# KiCad board demomatrix.kicad_pcb (continued)
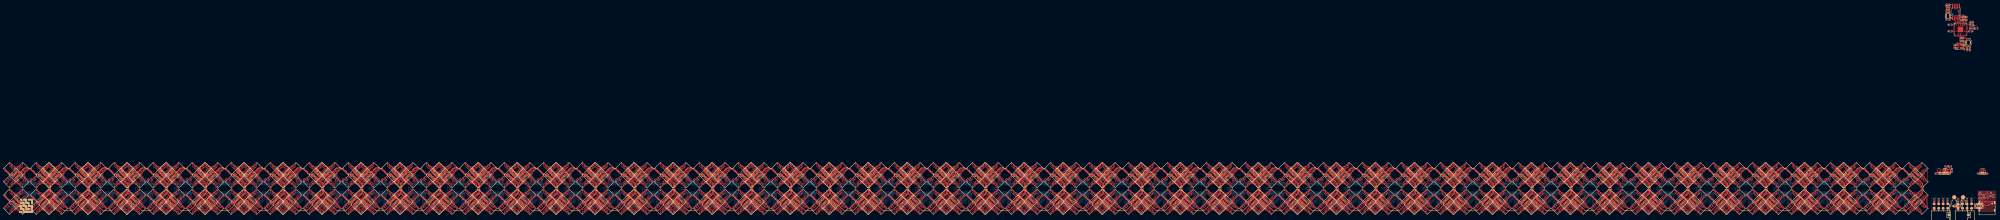
[diagram p0: board, top side]
## Routing (per net, layer and track width the routed paths; a pad name or vN(x,y) marks a point on that pad's centre or on a via; arc(x,y) is an arc through that point) (continued)
rgbs[1]-anodes-anode-150: length 4
  Top w0.2: LED293.5 -868.47,25.57 -867.27,25.57 -866.82,25.12 -866.56,25.12 -866.12,25.56 -865.1,25.56 LED294.6
rgbs[1]-anodes-anode-151: length 1.7
  Top w0.2: LED294.8 -865.96,24.72 -867.42,24.72 LED293.7
rgbs[1]-anodes-anode-152: length 9.3
  Top w0.2: LED298.4 -879.06,11.21 -879.06,10.22 -880.54,8.74 -880.79,8.74 -881.37,9.32 -882.01,9.32 -882.59,8.74 -882.84,8.74 -884.33,10.22 -884.33,11.2 LED297.3
rgbs[1]-anodes-anode-153: length 12.6
  Top w0.2: LED297.1 -885.17,12.06 -885.17,10.5 -883.01,8.34 -882.43,8.34 -881.84,8.92 -881.53,8.92 -880.95,8.34 -880.37,8.34 -878.21,10.49 -878.21,12.06 LED298.2
rgbs[1]-anodes-anode-154: length 4
  Top w0.2: LED297.5 -883.47,10.57 -882.27,10.57 -881.82,10.12 -881.56,10.12 -881.12,10.56 -880.1,10.56 LED298.6
rgbs[1]-anodes-anode-155: length 1.7
  Top w0.2: LED297.7 -882.42,9.72 -880.96,9.72 LED298.8
rgbs[1]-anodes-anode-156: length 9.3
  Top w0.2: LED301.3 -869.33,11.2 -869.33,10.22 -867.84,8.74 -867.59,8.74 -867.01,9.32 -866.37,9.32 -865.79,8.74 -865.54,8.74 -864.06,10.22 -864.06,11.21 LED302.4
rgbs[1]-anodes-anode-157: length 12.6
  Top w0.2: LED301.1 -870.17,12.06 -870.17,10.5 -868.01,8.34 -867.43,8.34 -866.84,8.92 -866.53,8.92 -865.95,8.34 -865.37,8.34 -863.21,10.49 -863.21,12.06 LED302.2
rgbs[1]-anodes-anode-158: length 4
  Top w0.2: LED301.5 -868.47,10.57 -867.27,10.57 -866.82,10.12 -866.56,10.12 -866.12,10.56 -865.1,10.56 LED302.6
rgbs[1]-anodes-anode-159: length 1.7
  Top w0.2: LED301.7 -867.42,9.72 -865.96,9.72 LED302.8
rgbs[1]-anodes-anode-160: length 9.3
  Top w0.2: LED305.3 -862.33,26.2 -862.33,25.22 -860.84,23.74 -860.59,23.74 -860.01,24.32 -859.37,24.32 -858.79,23.74 -858.54,23.74 -857.06,25.22 -857.06,26.21 LED306.4
rgbs[1]-anodes-anode-161: length 12.6
  Top w0.2: LED306.2 -856.21,27.06 -856.21,25.49 -858.37,23.34 -858.95,23.34 -859.53,23.92 -859.84,23.92 -860.43,23.34 -861.01,23.34 -863.17,25.5 -863.17,27.06 LED305.1
rgbs[1]-anodes-anode-162: length 4
  Top w0.2: LED306.6 -858.1,25.56 -859.12,25.56 -859.56,25.12 -859.82,25.12 -860.27,25.57 -861.47,25.57 LED305.5
rgbs[1]-anodes-anode-163: length 1.7
  Top w0.2: LED306.8 -858.96,24.72 -860.42,24.72 LED305.7
rgbs[1]-anodes-anode-164: length 9.3
  Top w0.2: LED310.4 -842.06,26.21 -842.06,25.22 -843.54,23.74 -843.79,23.74 -844.37,24.32 -845.01,24.32 -845.59,23.74 -845.84,23.74 -847.33,25.22 -847.33,26.2 LED309.3
rgbs[1]-anodes-anode-165: length 12.6
  Top w0.2: LED310.2 -841.21,27.06 -841.21,25.49 -843.37,23.34 -843.95,23.34 -844.53,23.92 -844.84,23.92 -845.43,23.34 -846.01,23.34 -848.17,25.5 -848.17,27.06 LED309.1
rgbs[1]-anodes-anode-166: length 4
  Top w0.2: LED310.6 -843.1,25.56 -844.12,25.56 -844.56,25.12 -844.82,25.12 -845.27,25.57 -846.47,25.57 LED309.5
rgbs[1]-anodes-anode-167: length 1.7
  Top w0.2: LED309.7 -845.42,24.72 -843.96,24.72 LED310.8
rgbs[1]-anodes-anode-168: length 9.3
  Top w0.2: LED313.3 -862.33,11.2 -862.33,10.22 -860.84,8.74 -860.59,8.74 -860.01,9.32 -859.37,9.32 -858.79,8.74 -858.54,8.74 -857.06,10.22 -857.06,11.21 LED314.4
rgbs[1]-anodes-anode-169: length 12.6
  Top w0.2: LED314.2 -856.21,12.06 -856.21,10.49 -858.37,8.34 -858.95,8.34 -859.53,8.92 -859.84,8.92 -860.43,8.34 -861.01,8.34 -863.17,10.5 -863.17,12.06 LED313.1
rgbs[1]-anodes-anode-170: length 4
  Top w0.2: LED314.6 -858.1,10.56 -859.12,10.56 -859.56,10.12 -859.82,10.12 -860.27,10.57 -861.47,10.57 LED313.5
rgbs[1]-anodes-anode-171: length 1.7
  Top w0.2: LED314.8 -858.96,9.72 -860.42,9.72 LED313.7
rgbs[1]-anodes-anode-172: length 9.3
  Top w0.2: LED318.4 -842.06,11.21 -842.06,10.22 -843.54,8.74 -843.79,8.74 -844.37,9.32 -845.01,9.32 -845.59,8.74 -845.84,8.74 -847.33,10.22 -847.33,11.2 LED317.3
rgbs[1]-anodes-anode-173: length 12.6
  Top w0.2: LED317.1 -848.17,12.06 -848.17,10.5 -846.01,8.34 -845.43,8.34 -844.84,8.92 -844.53,8.92 -843.95,8.34 -843.37,8.34 -841.21,10.49 -841.21,12.06 LED318.2
rgbs[1]-anodes-anode-174: length 4
  Top w0.2: LED318.6 -843.1,10.56 -844.12,10.56 -844.56,10.12 -844.82,10.12 -845.27,10.57 -846.47,10.57 LED317.5
rgbs[1]-anodes-anode-175: length 1.7
  Top w0.2: LED317.7 -845.42,9.72 -843.96,9.72 LED318.8
rgbs[1]-anodes-anode-176: length 9.3
  Top w0.2: LED18.4 -835.06,26.21 -835.06,25.22 -836.54,23.74 -836.79,23.74 -837.37,24.32 -838.01,24.32 -838.59,23.74 -838.84,23.74 -840.33,25.22 -840.33,26.2 LED17.3
rgbs[1]-anodes-anode-177: length 12.6
  Top w0.2: LED17.1 -841.17,27.06 -841.17,25.5 -839.01,23.34 -838.43,23.34 -837.84,23.92 -837.53,23.92 -836.95,23.34 -836.37,23.34 -834.21,25.49 -834.21,27.06 LED18.2
rgbs[1]-anodes-anode-178: length 4
  Top w0.2: LED17.5 -839.47,25.57 -838.27,25.57 -837.82,25.12 -837.56,25.12 -837.12,25.56 -836.1,25.56 LED18.6
rgbs[1]-anodes-anode-179: length 1.7
  Top w0.2: LED18.8 -836.96,24.72 -838.42,24.72 LED17.7
rgbs[1]-anodes-anode-180: length 9.3
  Top w0.2: LED21.3 -825.33,26.2 -825.33,25.22 -823.84,23.74 -823.59,23.74 -823.01,24.32 -822.37,24.32 -821.79,23.74 -821.54,23.74 -820.06,25.22 -820.06,26.21 LED22.4
rgbs[1]-anodes-anode-181: length 12.6
  Top w0.2: LED22.2 -819.21,27.06 -819.21,25.49 -821.37,23.34 -821.95,23.34 -822.53,23.92 -822.84,23.92 -823.43,23.34 -824.01,23.34 -826.17,25.5 -826.17,27.06 LED21.1
rgbs[1]-anodes-anode-182: length 4
  Top w0.2: LED21.5 -824.47,25.57 -823.27,25.57 -822.82,25.12 -822.56,25.12 -822.12,25.56 -821.1,25.56 LED22.6
rgbs[1]-anodes-anode-183: length 1.7
  Top w0.2: LED22.8 -821.96,24.72 -823.42,24.72 LED21.7
rgbs[1]-anodes-anode-184: length 9.3
  Top w0.2: LED26.4 -835.06,11.21 -835.06,10.22 -836.54,8.74 -836.79,8.74 -837.37,9.32 -838.01,9.32 -838.59,8.74 -838.84,8.74 -840.33,10.22 -840.33,11.2 LED25.3
rgbs[1]-anodes-anode-185: length 12.6
  Top w0.2: LED26.2 -834.21,12.06 -834.21,10.49 -836.37,8.34 -836.95,8.34 -837.53,8.92 -837.84,8.92 -838.43,8.34 -839.01,8.34 -841.17,10.5 -841.17,12.06 LED25.1
rgbs[1]-anodes-anode-186: length 4
  Top w0.2: LED25.5 -839.47,10.57 -838.27,10.57 -837.82,10.12 -837.56,10.12 -837.12,10.56 -836.1,10.56 LED26.6
rgbs[1]-anodes-anode-187: length 1.7
  Top w0.2: LED26.8 -836.96,9.72 -838.42,9.72 LED25.7
rgbs[1]-anodes-anode-188: length 9.3
  Top w0.2: LED30.4 -820.06,11.21 -820.06,10.22 -821.54,8.74 -821.79,8.74 -822.37,9.32 -823.01,9.32 -823.59,8.74 -823.84,8.74 -825.33,10.22 -825.33,11.2 LED29.3
rgbs[1]-anodes-anode-189: length 12.6
  Top w0.2: LED30.2 -819.21,12.06 -819.21,10.49 -821.37,8.34 -821.95,8.34 -822.53,8.92 -822.84,8.92 -823.43,8.34 -824.01,8.34 -826.17,10.5 -826.17,12.06 LED29.1
rgbs[1]-anodes-anode-190: length 4
  Top w0.2: LED29.5 -824.47,10.57 -823.27,10.57 -822.82,10.12 -822.56,10.12 -822.12,10.56 -821.1,10.56 LED30.6
rgbs[1]-anodes-anode-191: length 1.7
  Top w0.2: LED29.7 -823.42,9.72 -821.96,9.72 LED30.8
rgbs[1]-anodes-anode-192: length 9.3
  Top w0.2: LED321.3 -818.33,26.2 -818.33,25.22 -816.84,23.74 -816.59,23.74 -816.01,24.32 -815.37,24.32 -814.79,23.74 -814.54,23.74 -813.06,25.22 -813.06,26.21 LED322.4
rgbs[1]-anodes-anode-193: length 12.6
  Top w0.2: LED322.2 -812.21,27.06 -812.21,25.49 -814.37,23.34 -814.95,23.34 -815.53,23.92 -815.84,23.92 -816.43,23.34 -817.01,23.34 -819.17,25.5 -819.17,27.06 LED321.1
rgbs[1]-anodes-anode-194: length 4
  Top w0.2: LED322.6 -814.1,25.56 -815.12,25.56 -815.56,25.12 -815.82,25.12 -816.27,25.57 -817.47,25.57 LED321.5
rgbs[1]-anodes-anode-195: length 1.7
  Top w0.2: LED322.8 -814.96,24.72 -816.42,24.72 LED321.7
rgbs[1]-anodes-anode-196: length 9.3
  Top w0.2: LED326.4 -798.06,26.21 -798.06,25.22 -799.54,23.74 -799.79,23.74 -800.37,24.32 -801.01,24.32 -801.59,23.74 -801.84,23.74 -803.33,25.22 -803.33,26.2 LED325.3
rgbs[1]-anodes-anode-197: length 12.6
  Top w0.2: LED325.1 -804.17,27.06 -804.17,25.5 -802.01,23.34 -801.43,23.34 -800.84,23.92 -800.53,23.92 -799.95,23.34 -799.37,23.34 -797.21,25.49 -797.21,27.06 LED326.2
rgbs[1]-anodes-anode-198: length 4
  Top w0.2: LED325.5 -802.47,25.57 -801.27,25.57 -800.82,25.12 -800.56,25.12 -800.12,25.56 -799.1,25.56 LED326.6
rgbs[1]-anodes-anode-199: length 1.7
  Top w0.2: LED326.8 -799.96,24.72 -801.42,24.72 LED325.7
rgbs[1]-anodes-anode-200: length 9.3
  Top w0.2: LED329.3 -818.33,11.2 -818.33,10.22 -816.84,8.74 -816.59,8.74 -816.01,9.32 -815.37,9.32 -814.79,8.74 -814.54,8.74 -813.06,10.22 -813.06,11.21 LED330.4
rgbs[1]-anodes-anode-201: length 12.6
  Top w0.2: LED330.2 -812.21,12.06 -812.21,10.49 -814.37,8.34 -814.95,8.34 -815.53,8.92 -815.84,8.92 -816.43,8.34 -817.01,8.34 -819.17,10.5 -819.17,12.06 LED329.1
rgbs[1]-anodes-anode-202: length 4
  Top w0.2: LED330.6 -814.1,10.56 -815.12,10.56 -815.56,10.12 -815.82,10.12 -816.27,10.57 -817.47,10.57 LED329.5
rgbs[1]-anodes-anode-203: length 1.7
  Top w0.2: LED329.7 -816.42,9.72 -814.96,9.72 LED330.8
rgbs[1]-anodes-anode-204: length 9.3
  Top w0.2: LED334.4 -798.06,11.21 -798.06,10.22 -799.54,8.74 -799.79,8.74 -800.37,9.32 -801.01,9.32 -801.59,8.74 -801.84,8.74 -803.33,10.22 -803.33,11.2 LED333.3
rgbs[1]-anodes-anode-205: length 12.6
  Top w0.2: LED334.2 -797.21,12.06 -797.21,10.49 -799.37,8.34 -799.95,8.34 -800.53,8.92 -800.84,8.92 -801.43,8.34 -802.01,8.34 -804.17,10.5 -804.17,12.06 LED333.1
rgbs[1]-anodes-anode-206: length 4
  Top w0.2: LED333.5 -802.47,10.57 -801.27,10.57 -800.82,10.12 -800.56,10.12 -800.12,10.56 -799.1,10.56 LED334.6
rgbs[1]-anodes-anode-207: length 1.7
  Top w0.2: LED334.8 -799.96,9.72 -801.42,9.72 LED333.7
rgbs[1]-anodes-anode-208: length 9.3
  Top w0.2: LED338.4 -791.06,26.21 -791.06,25.22 -792.54,23.74 -792.79,23.74 -793.37,24.32 -794.01,24.32 -794.59,23.74 -794.84,23.74 -796.33,25.22 -796.33,26.2 LED337.3
rgbs[1]-anodes-anode-209: length 12.6
  Top w0.2: LED337.1 -797.17,27.06 -797.17,25.5 -795.01,23.34 -794.43,23.34 -793.84,23.92 -793.53,23.92 -792.95,23.34 -792.37,23.34 -790.21,25.49 -790.21,27.06 LED338.2
rgbs[1]-anodes-anode-210: length 4
  Top w0.2: LED338.6 -792.1,25.56 -793.12,25.56 -793.56,25.12 -793.82,25.12 -794.27,25.57 -795.47,25.57 LED337.5
rgbs[1]-anodes-anode-211: length 1.7
  Top w0.2: LED338.8 -792.96,24.72 -794.42,24.72 LED337.7
rgbs[1]-anodes-anode-212: length 9.3
  Top w0.2: LED342.4 -776.06,26.21 -776.06,25.22 -777.54,23.74 -777.79,23.74 -778.37,24.32 -779.01,24.32 -779.59,23.74 -779.84,23.74 -781.33,25.22 -781.33,26.2 LED341.3
rgbs[1]-anodes-anode-213: length 12.6
  Top w0.2: LED341.1 -782.17,27.06 -782.17,25.5 -780.01,23.34 -779.43,23.34 -778.84,23.92 -778.53,23.92 -777.95,23.34 -777.37,23.34 -775.21,25.49 -775.21,27.06 LED342.2
rgbs[1]-anodes-anode-214: length 4
  Top w0.2: LED341.5 -780.47,25.57 -779.27,25.57 -778.82,25.12 -778.56,25.12 -778.12,25.56 -777.1,25.56 LED342.6
rgbs[1]-anodes-anode-215: length 1.7
  Top w0.2: LED342.8 -777.96,24.72 -779.42,24.72 LED341.7
rgbs[1]-anodes-anode-216: length 9.3
  Top w0.2: LED345.3 -796.33,11.2 -796.33,10.22 -794.84,8.74 -794.59,8.74 -794.01,9.32 -793.37,9.32 -792.79,8.74 -792.54,8.74 -791.06,10.22 -791.06,11.21 LED346.4
rgbs[1]-anodes-anode-217: length 12.6
  Top w0.2: LED345.1 -797.17,12.06 -797.17,10.5 -795.01,8.34 -794.43,8.34 -793.84,8.92 -793.53,8.92 -792.95,8.34 -792.37,8.34 -790.21,10.49 -790.21,12.06 LED346.2
rgbs[1]-anodes-anode-218: length 4
  Top w0.2: LED345.5 -795.47,10.57 -794.27,10.57 -793.82,10.12 -793.56,10.12 -793.12,10.56 -792.1,10.56 LED346.6
rgbs[1]-anodes-anode-219: length 1.7
  Top w0.2: LED346.8 -792.96,9.72 -794.42,9.72 LED345.7
rgbs[1]-anodes-anode-220: length 9.3
  Top w0.2: LED350.4 -776.06,11.21 -776.06,10.22 -777.54,8.74 -777.79,8.74 -778.37,9.32 -779.01,9.32 -779.59,8.74 -779.84,8.74 -781.33,10.22 -781.33,11.2 LED349.3
rgbs[1]-anodes-anode-221: length 12.6
  Top w0.2: LED350.2 -775.21,12.06 -775.21,10.49 -777.37,8.34 -777.95,8.34 -778.53,8.92 -778.84,8.92 -779.43,8.34 -780.01,8.34 -782.17,10.5 -782.17,12.06 LED349.1
rgbs[1]-anodes-anode-222: length 4
  Top w0.2: LED349.5 -780.47,10.57 -779.27,10.57 -778.82,10.12 -778.56,10.12 -778.12,10.56 -777.1,10.56 LED350.6
rgbs[1]-anodes-anode-223: length 1.7
  Top w0.2: LED350.8 -777.96,9.72 -779.42,9.72 LED349.7
rgbs[1]-anodes-anode-224: length 9.3
  Top w0.2: LED353.3 -774.33,26.2 -774.33,25.22 -772.84,23.74 -772.59,23.74 -772.01,24.32 -771.37,24.32 -770.79,23.74 -770.54,23.74 -769.06,25.22 -769.06,26.21 LED354.4
rgbs[1]-anodes-anode-225: length 12.6
  Top w0.2: LED354.2 -768.21,27.06 -768.21,25.49 -770.37,23.34 -770.95,23.34 -771.53,23.92 -771.84,23.92 -772.43,23.34 -773.01,23.34 -775.17,25.5 -775.17,27.06 LED353.1
rgbs[1]-anodes-anode-226: length 4
  Top w0.2: LED354.6 -770.1,25.56 -771.12,25.56 -771.56,25.12 -771.82,25.12 -772.27,25.57 -773.47,25.57 LED353.5
rgbs[1]-anodes-anode-227: length 1.7
  Top w0.2: LED354.8 -770.96,24.72 -772.42,24.72 LED353.7
rgbs[1]-anodes-anode-228: length 9.3
  Top w0.2: LED358.4 -754.06,26.21 -754.06,25.22 -755.54,23.74 -755.79,23.74 -756.37,24.32 -757.01,24.32 -757.59,23.74 -757.84,23.74 -759.33,25.22 -759.33,26.2 LED357.3
rgbs[1]-anodes-anode-229: length 12.6
  Top w0.2: LED358.2 -753.21,27.06 -753.21,25.49 -755.37,23.34 -755.95,23.34 -756.53,23.92 -756.84,23.92 -757.43,23.34 -758.01,23.34 -760.17,25.5 -760.17,27.06 LED357.1
rgbs[1]-anodes-anode-230: length 4
  Top w0.2: LED358.6 -755.1,25.56 -756.12,25.56 -756.56,25.12 -756.82,25.12 -757.27,25.57 -758.47,25.57 LED357.5
rgbs[1]-anodes-anode-231: length 1.7
  Top w0.2: LED357.7 -757.42,24.72 -755.96,24.72 LED358.8
rgbs[1]-anodes-anode-232: length 9.3
  Top w0.2: LED361.3 -774.33,11.2 -774.33,10.22 -772.84,8.74 -772.59,8.74 -772.01,9.32 -771.37,9.32 -770.79,8.74 -770.54,8.74 -769.06,10.22 -769.06,11.21 LED362.4
rgbs[1]-anodes-anode-233: length 12.6
  Top w0.2: LED361.1 -775.17,12.06 -775.17,10.5 -773.01,8.34 -772.43,8.34 -771.84,8.92 -771.53,8.92 -770.95,8.34 -770.37,8.34 -768.21,10.49 -768.21,12.06 LED362.2
rgbs[1]-anodes-anode-234: length 4
  Top w0.2: LED362.6 -770.1,10.56 -771.12,10.56 -771.56,10.12 -771.82,10.12 -772.27,10.57 -773.47,10.57 LED361.5
rgbs[1]-anodes-anode-235: length 1.7
  Top w0.2: LED362.8 -770.96,9.72 -772.42,9.72 LED361.7
rgbs[1]-anodes-anode-236: length 9.3
  Top w0.2: LED366.4 -754.06,11.21 -754.06,10.22 -755.54,8.74 -755.79,8.74 -756.37,9.32 -757.01,9.32 -757.59,8.74 -757.84,8.74 -759.33,10.22 -759.33,11.2 LED365.3
rgbs[1]-anodes-anode-237: length 12.6
  Top w0.2: LED365.1 -760.17,12.06 -760.17,10.5 -758.01,8.34 -757.43,8.34 -756.84,8.92 -756.53,8.92 -755.95,8.34 -755.37,8.34 -753.21,10.49 -753.21,12.06 LED366.2
rgbs[1]-anodes-anode-238: length 4
  Top w0.2: LED365.5 -758.47,10.57 -757.27,10.57 -756.82,10.12 -756.56,10.12 -756.12,10.56 -755.1,10.56 LED366.6
rgbs[1]-anodes-anode-239: length 1.7
  Top w0.2: LED365.7 -757.42,9.72 -755.96,9.72 LED366.8
rgbs[1]-anodes-anode-240: length 9.3
  Top w0.2: LED369.3 -752.33,26.2 -752.33,25.22 -750.84,23.74 -750.59,23.74 -750.01,24.32 -749.37,24.32 -748.79,23.74 -748.54,23.74 -747.06,25.22 -747.06,26.21 LED370.4
rgbs[1]-anodes-anode-241: length 12.6
  Top w0.2: LED369.1 -753.17,27.06 -753.17,25.5 -751.01,23.34 -750.43,23.34 -749.84,23.92 -749.53,23.92 -748.95,23.34 -748.37,23.34 -746.21,25.49 -746.21,27.06 LED370.2
rgbs[1]-anodes-anode-242: length 4
  Top w0.2: LED369.5 -751.47,25.57 -750.27,25.57 -749.82,25.12 -749.56,25.12 -749.12,25.56 -748.1,25.56 LED370.6
rgbs[1]-anodes-anode-243: length 1.7
  Top w0.2: LED369.7 -750.42,24.72 -748.96,24.72 LED370.8
rgbs[1]-anodes-anode-244: length 9.3
  Top w0.2: LED374.4 -732.06,26.21 -732.06,25.22 -733.54,23.74 -733.79,23.74 -734.37,24.32 -735.01,24.32 -735.59,23.74 -735.84,23.74 -737.33,25.22 -737.33,26.2 LED373.3
rgbs[1]-anodes-anode-245: length 12.6
  Top w0.2: LED373.1 -738.17,27.06 -738.17,25.5 -736.01,23.34 -735.43,23.34 -734.84,23.92 -734.53,23.92 -733.95,23.34 -733.37,23.34 -731.21,25.49 -731.21,27.06 LED374.2
rgbs[1]-anodes-anode-246: length 4
  Top w0.2: LED373.5 -736.47,25.57 -735.27,25.57 -734.82,25.12 -734.56,25.12 -734.12,25.56 -733.1,25.56 LED374.6
rgbs[1]-anodes-anode-247: length 1.7
  Top w0.2: LED373.7 -735.42,24.72 -733.96,24.72 LED374.8
rgbs[1]-anodes-anode-248: length 9.3
  Top w0.2: LED377.3 -752.33,11.2 -752.33,10.22 -750.84,8.74 -750.59,8.74 -750.01,9.32 -749.37,9.32 -748.79,8.74 -748.54,8.74 -747.06,10.22 -747.06,11.21 LED378.4
rgbs[1]-anodes-anode-249: length 12.6
  Top w0.2: LED378.2 -746.21,12.06 -746.21,10.49 -748.37,8.34 -748.95,8.34 -749.53,8.92 -749.84,8.92 -750.43,8.34 -751.01,8.34 -753.17,10.5 -753.17,12.06 LED377.1
rgbs[1]-anodes-anode-250: length 4
  Top w0.2: LED378.6 -748.1,10.56 -749.12,10.56 -749.56,10.12 -749.82,10.12 -750.27,10.57 -751.47,10.57 LED377.5
rgbs[1]-anodes-anode-251: length 1.7
  Top w0.2: LED378.8 -748.96,9.72 -750.42,9.72 LED377.7
rgbs[1]-anodes-anode-252: length 9.3
  Top w0.2: LED382.4 -732.06,11.21 -732.06,10.22 -733.54,8.74 -733.79,8.74 -734.37,9.32 -735.01,9.32 -735.59,8.74 -735.84,8.74 -737.33,10.22 -737.33,11.2 LED381.3
rgbs[1]-anodes-anode-253: length 12.6
  Top w0.2: LED381.1 -738.17,12.06 -738.17,10.5 -736.01,8.34 -735.43,8.34 -734.84,8.92 -734.53,8.92 -733.95,8.34 -733.37,8.34 -731.21,10.49 -731.21,12.06 LED382.2
rgbs[1]-anodes-anode-254: length 4
  Top w0.2: LED381.5 -736.47,10.57 -735.27,10.57 -734.82,10.12 -734.56,10.12 -734.12,10.56 -733.1,10.56 LED382.6
rgbs[1]-anodes-anode-255: length 1.7
  Top w0.2: LED382.8 -733.96,9.72 -735.42,9.72 LED381.7
rgbs[1]-anodes-anode-256: length 9.3
  Top w0.2: LED386.4 -725.06,26.21 -725.06,25.22 -726.54,23.74 -726.79,23.74 -727.37,24.32 -728.01,24.32 -728.59,23.74 -728.84,23.74 -730.33,25.22 -730.33,26.2 LED385.3
rgbs[1]-anodes-anode-257: length 12.6
  Top w0.2: LED386.2 -724.21,27.06 -724.21,25.49 -726.37,23.34 -726.95,23.34 -727.53,23.92 -727.84,23.92 -728.43,23.34 -729.01,23.34 -731.17,25.5 -731.17,27.06 LED385.1
rgbs[1]-anodes-anode-258: length 4
  Top w0.2: LED385.5 -729.47,25.57 -728.27,25.57 -727.82,25.12 -727.56,25.12 -727.12,25.56 -726.1,25.56 LED386.6
rgbs[1]-anodes-anode-259: length 1.7
  Top w0.2: LED386.8 -726.96,24.72 -728.42,24.72 LED385.7
rgbs[1]-anodes-anode-260: length 9.3
  Top w0.2: LED389.3 -715.33,26.2 -715.33,25.22 -713.84,23.74 -713.59,23.74 -713.01,24.32 -712.37,24.32 -711.79,23.74 -711.54,23.74 -710.06,25.22 -710.06,26.21 LED390.4
rgbs[1]-anodes-anode-261: length 12.6
  Top w0.2: LED390.2 -709.21,27.06 -709.21,25.49 -711.37,23.34 -711.95,23.34 -712.53,23.92 -712.84,23.92 -713.43,23.34 -714.01,23.34 -716.17,25.5 -716.17,27.06 LED389.1
rgbs[1]-anodes-anode-262: length 4
  Top w0.2: LED389.5 -714.47,25.57 -713.27,25.57 -712.82,25.12 -712.56,25.12 -712.12,25.56 -711.1,25.56 LED390.6
rgbs[1]-anodes-anode-263: length 1.7
  Top w0.2: LED390.8 -711.96,24.72 -713.42,24.72 LED389.7
rgbs[1]-anodes-anode-264: length 9.3
  Top w0.2: LED394.4 -725.06,11.21 -725.06,10.22 -726.54,8.74 -726.79,8.74 -727.37,9.32 -728.01,9.32 -728.59,8.74 -728.84,8.74 -730.33,10.22 -730.33,11.2 LED393.3
rgbs[1]-anodes-anode-265: length 12.6
  Top w0.2: LED393.1 -731.17,12.06 -731.17,10.5 -729.01,8.34 -728.43,8.34 -727.84,8.92 -727.53,8.92 -726.95,8.34 -726.37,8.34 -724.21,10.49 -724.21,12.06 LED394.2
rgbs[1]-anodes-anode-266: length 4
  Top w0.2: LED393.5 -729.47,10.57 -728.27,10.57 -727.82,10.12 -727.56,10.12 -727.12,10.56 -726.1,10.56 LED394.6
rgbs[1]-anodes-anode-267: length 1.7
  Top w0.2: LED394.8 -726.96,9.72 -728.42,9.72 LED393.7
rgbs[1]-anodes-anode-268: length 9.3
  Top w0.2: LED398.4 -710.06,11.21 -710.06,10.22 -711.54,8.74 -711.79,8.74 -712.37,9.32 -713.01,9.32 -713.59,8.74 -713.84,8.74 -715.33,10.22 -715.33,11.2 LED397.3
rgbs[1]-anodes-anode-269: length 12.6
  Top w0.2: LED398.2 -709.21,12.06 -709.21,10.49 -711.37,8.34 -711.95,8.34 -712.53,8.92 -712.84,8.92 -713.43,8.34 -714.01,8.34 -716.17,10.5 -716.17,12.06 LED397.1
rgbs[1]-anodes-anode-270: length 4
  Top w0.2: LED397.5 -714.47,10.57 -713.27,10.57 -712.82,10.12 -712.56,10.12 -712.12,10.56 -711.1,10.56 LED398.6
rgbs[1]-anodes-anode-271: length 1.7
  Top w0.2: LED398.8 -711.96,9.72 -713.42,9.72 LED397.7
rgbs[1]-anodes-anode-272: length 9.3
  Top w0.2: LED402.4 -703.06,26.21 -703.06,25.22 -704.54,23.74 -704.79,23.74 -705.37,24.32 -706.01,24.32 -706.59,23.74 -706.84,23.74 -708.33,25.22 -708.33,26.2 LED401.3
rgbs[1]-anodes-anode-273: length 12.6
  Top w0.2: LED402.2 -702.21,27.06 -702.21,25.49 -704.37,23.34 -704.95,23.34 -705.53,23.92 -705.84,23.92 -706.43,23.34 -707.01,23.34 -709.17,25.5 -709.17,27.06 LED401.1
rgbs[1]-anodes-anode-274: length 4
  Top w0.2: LED402.6 -704.1,25.56 -705.12,25.56 -705.56,25.12 -705.82,25.12 -706.27,25.57 -707.47,25.57 LED401.5
rgbs[1]-anodes-anode-275: length 1.7
  Top w0.2: LED402.8 -704.96,24.72 -706.42,24.72 LED401.7
rgbs[1]-anodes-anode-276: length 9.3
  Top w0.2: LED405.3 -693.33,26.2 -693.33,25.22 -691.84,23.74 -691.59,23.74 -691.01,24.32 -690.37,24.32 -689.79,23.74 -689.54,23.74 -688.06,25.22 -688.06,26.21 LED406.4
rgbs[1]-anodes-anode-277: length 12.6
  Top w0.2: LED406.2 -687.21,27.06 -687.21,25.49 -689.37,23.34 -689.95,23.34 -690.53,23.92 -690.84,23.92 -691.43,23.34 -692.01,23.34 -694.17,25.5 -694.17,27.06 LED405.1
rgbs[1]-anodes-anode-278: length 4
  Top w0.2: LED406.6 -689.1,25.56 -690.12,25.56 -690.56,25.12 -690.82,25.12 -691.27,25.57 -692.47,25.57 LED405.5
rgbs[1]-anodes-anode-279: length 1.7
  Top w0.2: LED405.7 -691.42,24.72 -689.96,24.72 LED406.8
rgbs[1]-anodes-anode-280: length 9.3
  Top w0.2: LED409.3 -708.33,11.2 -708.33,10.22 -706.84,8.74 -706.59,8.74 -706.01,9.32 -705.37,9.32 -704.79,8.74 -704.54,8.74 -703.06,10.22 -703.06,11.21 LED410.4
rgbs[1]-anodes-anode-281: length 12.6
  Top w0.2: LED410.2 -702.21,12.06 -702.21,10.49 -704.37,8.34 -704.95,8.34 -705.53,8.92 -705.84,8.92 -706.43,8.34 -707.01,8.34 -709.17,10.5 -709.17,12.06 LED409.1
rgbs[1]-anodes-anode-282: length 4
  Top w0.2: LED410.6 -704.1,10.56 -705.12,10.56 -705.56,10.12 -705.82,10.12 -706.27,10.57 -707.47,10.57 LED409.5
rgbs[1]-anodes-anode-283: length 1.7
  Top w0.2: LED410.8 -704.96,9.72 -706.42,9.72 LED409.7
rgbs[1]-anodes-anode-284: length 9.3
  Top w0.2: LED413.3 -693.33,11.2 -693.33,10.22 -691.84,8.74 -691.59,8.74 -691.01,9.32 -690.37,9.32 -689.79,8.74 -689.54,8.74 -688.06,10.22 -688.06,11.21 LED414.4
rgbs[1]-anodes-anode-285: length 12.6
  Top w0.2: LED413.1 -694.17,12.06 -694.17,10.5 -692.01,8.34 -691.43,8.34 -690.84,8.92 -690.53,8.92 -689.95,8.34 -689.37,8.34 -687.21,10.49 -687.21,12.06 LED414.2
rgbs[1]-anodes-anode-286: length 4
  Top w0.2: LED413.5 -692.47,10.57 -691.27,10.57 -690.82,10.12 -690.56,10.12 -690.12,10.56 -689.1,10.56 LED414.6
rgbs[1]-anodes-anode-287: length 1.7
  Top w0.2: LED413.7 -691.42,9.72 -689.96,9.72 LED414.8
rgbs[1]-anodes-anode-288: length 9.3
  Top w0.2: LED417.3 -686.33,26.2 -686.33,25.22 -684.84,23.74 -684.59,23.74 -684.01,24.32 -683.37,24.32 -682.79,23.74 -682.54,23.74 -681.06,25.22 -681.06,26.21 LED418.4
rgbs[1]-anodes-anode-289: length 12.6
  Top w0.2: LED417.1 -687.17,27.06 -687.17,25.5 -685.01,23.34 -684.43,23.34 -683.84,23.92 -683.53,23.92 -682.95,23.34 -682.37,23.34 -680.21,25.49 -680.21,27.06 LED418.2
rgbs[1]-anodes-anode-290: length 4
  Top w0.2: LED418.6 -682.1,25.56 -683.12,25.56 -683.56,25.12 -683.82,25.12 -684.27,25.57 -685.47,25.57 LED417.5
rgbs[1]-anodes-anode-291: length 1.7
  Top w0.2: LED418.8 -682.96,24.72 -684.42,24.72 LED417.7
rgbs[1]-anodes-anode-292: length 9.3
  Top w0.2: LED421.3 -671.33,26.2 -671.33,25.22 -669.84,23.74 -669.59,23.74 -669.01,24.32 -668.37,24.32 -667.79,23.74 -667.54,23.74 -666.06,25.22 -666.06,26.21 LED422.4
rgbs[1]-anodes-anode-293: length 12.6
  Top w0.2: LED421.1 -672.17,27.06 -672.17,25.5 -670.01,23.34 -669.43,23.34 -668.84,23.92 -668.53,23.92 -667.95,23.34 -667.37,23.34 -665.21,25.49 -665.21,27.06 LED422.2
rgbs[1]-anodes-anode-294: length 4
  Top w0.2: LED421.5 -670.47,25.57 -669.27,25.57 -668.82,25.12 -668.56,25.12 -668.12,25.56 -667.1,25.56 LED422.6
rgbs[1]-anodes-anode-295: length 1.7
  Top w0.2: LED422.8 -667.96,24.72 -669.42,24.72 LED421.7
rgbs[1]-anodes-anode-296: length 9.3
  Top w0.2: LED426.4 -681.06,11.21 -681.06,10.22 -682.54,8.74 -682.79,8.74 -683.37,9.32 -684.01,9.32 -684.59,8.74 -684.84,8.74 -686.33,10.22 -686.33,11.2 LED425.3
rgbs[1]-anodes-anode-297: length 12.6
  Top w0.2: LED426.2 -680.21,12.06 -680.21,10.49 -682.37,8.34 -682.95,8.34 -683.53,8.92 -683.84,8.92 -684.43,8.34 -685.01,8.34 -687.17,10.5 -687.17,12.06 LED425.1
rgbs[1]-anodes-anode-298: length 4
  Top w0.2: LED425.5 -685.47,10.57 -684.27,10.57 -683.82,10.12 -683.56,10.12 -683.12,10.56 -682.1,10.56 LED426.6
rgbs[1]-anodes-anode-299: length 1.7
  Top w0.2: LED425.7 -684.42,9.72 -682.96,9.72 LED426.8
rgbs[1]-anodes-anode-300: length 9.3
  Top w0.2: LED429.3 -671.33,11.2 -671.33,10.22 -669.84,8.74 -669.59,8.74 -669.01,9.32 -668.37,9.32 -667.79,8.74 -667.54,8.74 -666.06,10.22 -666.06,11.21 LED430.4
rgbs[1]-anodes-anode-301: length 12.6
  Top w0.2: LED429.1 -672.17,12.06 -672.17,10.5 -670.01,8.34 -669.43,8.34 -668.84,8.92 -668.53,8.92 -667.95,8.34 -667.37,8.34 -665.21,10.49 -665.21,12.06 LED430.2
rgbs[1]-anodes-anode-302: length 4
  Top w0.2: LED429.5 -670.47,10.57 -669.27,10.57 -668.82,10.12 -668.56,10.12 -668.12,10.56 -667.1,10.56 LED430.6
rgbs[1]-anodes-anode-303: length 1.7
  Top w0.2: LED430.8 -667.96,9.72 -669.42,9.72 LED429.7
